# Altium PCB Slave.PcbDoc (part 9 of 10) (continued)
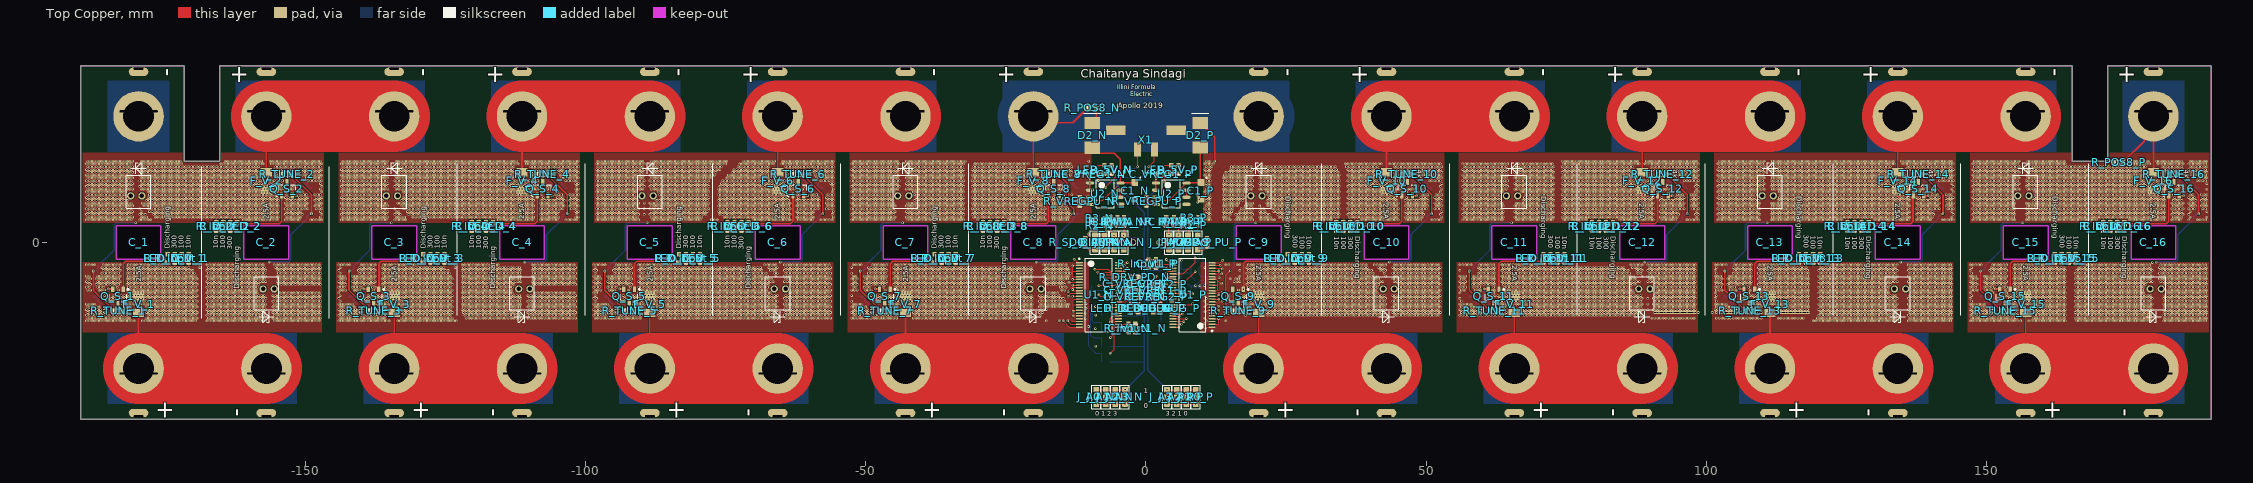
[diagram p0: Top Copper view]
## Nets (pads, with @x,y where several pads share a name; then routed paths per layer and width w, separated by ;. In a path a pad name is that pad's centre, name@x,y a point inside that pad or via, vN(x,y) a via of type N, cw(c..) or ccw(c..) an arc to the next point about the centre after c; other vN are vias at no path point) (continued)
NetQ_D_7_1: Q_D_7.1 Q_S_7.3 R_TUNE_7.2 | length 8.2
  Top Copper w0.102: Q_S_7.3@-46.575,-10.919 Q_S_7.3@-46.575,-10.775
  Top Copper w0.305: Q_S_7.3@-46.575,-10.919 -46.482,-11.012 -46.482,-11.518 v2(-45.8,-12.2)
  Bottom Copper w0.305: Q_D_7.1@-50.95,-9.65 -50.529,-9.65 -50.082,-10.098 -50.082,-10.518 -48.4,-12.2 v2(-45.8,-12.2)
NetQ_D_8_1: Q_D_8.1 Q_S_8.3 R_TUNE_8.2 | length 8.2
  Top Copper w0.102: R_TUNE_8.2@-16.876,12.524 R_TUNE_8.2@-16.876,12.549 ; Q_S_8.3@-16.425,10.775 Q_S_8.3@-16.425,10.919
  Top Copper w0.305: v2(-17.2,12.2) -16.518,11.518 -16.518,11.012 Q_S_8.3@-16.425,10.919
  Bottom Copper w0.305: v2(-17.2,12.2) -14.6,12.2 -12.918,10.518 -12.918,10.098 -12.471,9.65 Q_D_8.1@-12.05,9.65
NetQ_D_9_1: Q_D_9.1 Q_S_9.3 R_TUNE_9.2 | length 7.1
  Top Copper w0.102: Q_S_9.3@16.425,-10.919 Q_S_9.3@16.425,-10.775
  Top Copper w0.305: Q_S_9.3@16.425,-10.919 16.518,-11.012 16.518,-11.518 R_TUNE_9.2@17.2,-12.2
  Bottom Copper w0.305: Q_D_9.1@15.25,-9.65 14.85,-9.65 14.5,-10 14.5,-11.4 15.3,-12.2 17.2,-12.2
NetQ_D_10_1: Q_D_10.1 Q_S_10.3 R_TUNE_10.2 | length 8.2
  Top Copper w0.102: R_TUNE_10.2@46.124,12.524 R_TUNE_10.2@46.124,12.549 ; Q_S_10.3@46.575,10.775 Q_S_10.3@46.575,10.919
  Top Copper w0.305: v2(45.8,12.2) 46.482,11.518 46.482,11.012 Q_S_10.3@46.575,10.919
  Bottom Copper w0.305: v2(45.8,12.2) 48.4,12.2 50.082,10.518 50.082,10.098 50.529,9.65 Q_D_10.1@50.95,9.65
NetQ_D_11_1: Q_D_11.1 Q_S_11.3 R_TUNE_11.2 | length 8.2
  Top Copper w0.102: Q_S_11.3@62.025,-10.919 Q_S_11.3@62.025,-10.775
  Top Copper w0.305: Q_S_11.3@62.025,-10.919 62.118,-11.012 62.118,-11.518 v2(62.8,-12.2)
  Bottom Copper w0.305: Q_D_11.1@57.65,-9.65 58.071,-9.65 58.518,-10.098 58.518,-10.518 60.2,-12.2 v2(62.8,-12.2)
NetQ_D_12_1: Q_D_12.1 Q_S_12.3 R_TUNE_12.2 | length 8.2
  Top Copper w0.102: R_TUNE_12.2@91.724,12.524 R_TUNE_12.2@91.724,12.549 ; Q_S_12.3@92.175,10.775 Q_S_12.3@92.175,10.919
  Top Copper w0.305: v2(91.4,12.2) 92.082,11.518 92.082,11.012 Q_S_12.3@92.175,10.919
  Bottom Copper w0.305: v2(91.4,12.2) 94,12.2 95.682,10.518 95.682,10.098 96.129,9.65 Q_D_12.1@96.55,9.65
NetQ_D_13_1: Q_D_13.1 Q_S_13.3 R_TUNE_13.2 | length 8.3
  Top Copper w0.102: Q_S_13.3@107.625,-10.919 Q_S_13.3@107.625,-10.775
  Top Copper w0.305: Q_S_13.3@107.625,-10.919 107.718,-11.012 107.718,-11.242 107.85,-11.242 108.131,-11.523 108.131,-11.919 108.125,-11.925 v2(108.4,-12.2)
  Bottom Copper w0.305: Q_D_13.1@103.25,-9.65 103.671,-9.65 104.118,-10.098 104.118,-10.518 105.621,-12.021 106.198,-12.021 106.377,-12.2 v2(108.4,-12.2)
NetQ_D_14_1: Q_D_14.1 Q_S_14.3 R_TUNE_14.2 | length 8.2
  Top Copper w0.102: R_TUNE_14.2@137.324,12.524 R_TUNE_14.2@137.324,12.549 ; Q_S_14.3@137.775,10.775 Q_S_14.3@137.775,10.919
  Top Copper w0.305: v2(137,12.2) 137.682,11.518 137.682,11.012 Q_S_14.3@137.775,10.919
  Bottom Copper w0.305: v2(137,12.2) 139.6,12.2 141.282,10.518 141.282,10.098 141.729,9.65 Q_D_14.1@142.15,9.65
NetQ_D_15_1: Q_D_15.1 Q_S_15.3 R_TUNE_15.2 | length 8.2
  Top Copper w0.102: Q_S_15.3@153.225,-10.919 Q_S_15.3@153.225,-10.775
  Top Copper w0.305: Q_S_15.3@153.225,-10.919 153.318,-11.012 153.318,-11.518 v2(154,-12.2)
  Bottom Copper w0.305: Q_D_15.1@148.85,-9.65 149.271,-9.65 149.718,-10.098 149.718,-10.518 151.4,-12.2 v2(154,-12.2)
NetQ_D_16_1: Q_D_16.1 Q_S_16.3 R_TUNE_16.2 | length 8.2
  Top Copper w0.102: R_TUNE_16.2@182.924,12.524 R_TUNE_16.2@182.924,12.549 ; Q_S_16.3@183.375,10.775 Q_S_16.3@183.375,10.919
  Top Copper w0.305: v2(182.6,12.2) 183.282,11.518 183.282,11.012 Q_S_16.3@183.375,10.919
  Bottom Copper w0.305: v2(182.6,12.2) 185.2,12.2 186.882,10.518 186.882,10.098 187.329,9.65 Q_D_16.1@187.75,9.65
NetU2_N_6: U2_N.6 U2_N.7 | length 1.3
  Top Copper w0.254: U2_N.6@-4.575,8.065 U2_N.7@-4.575,9.335
NetU2_P_6: U2_P.6 U2_P.7 | length 1.3
  Top Copper w0.254: U2_P.6@7.225,8.065 U2_P.7@7.225,9.335
POS8_C2: C_16.+ F_V_16.1 R_POS8_P.2 U1_P.1 | length 241.1
  Top Copper w0.102: v2(10.7,-15.275) 10.759,-15.275 10.934,-15.1 U1_P.1@11.8,-15.1
  Top Copper w0.254: R_POS8_P.2@174.25,14.284 174.275,14.284 174.523,14.532 174.523,14.557 178.027,18.06 178.027,20.827 C_16.+@179.7,22.5
  Top Copper w0.305: F_V_16.1@179.7,12.545 C_16.+@179.7,22.5
  Signal Layer 2 w0.102: v2(10.7,-15.275) 13.113,-15.275 13.466,-14.922 14.984,-14.922 15.695,-15.632 98.45,-15.632 98.653,-15.429 100.845,-15.429 100.92,-15.503 110.579,-15.503 110.653,-15.429 111.845,-15.429 111.92,-15.503 118.471,-15.503 118.58,-15.394 134.576,-15.394 134.744,-15.226 134.789,-15.226 135.079,-15.516 135.921,-15.516 136.246,-15.19 143.992,-15.19 144.16,-15.022 146.338,-15.022 146.506,-15.19 156.492,-15.19 156.66,-15.022 156.838,-15.022 157.094,-15.279 164.733,-15.279 165.21,-14.803 165.21,-4.524 171.252,1.519 172.731,1.519 173.866,2.653 174.999,2.653 175.596,3.251 184.65,3.251 185.5,4.101 185.5,16.7 C_16.+@179.7,22.5
  Signal Layer 2 w0.254: C_16.+@179.7,22.5 C_16.+@179.7,31
S1_C1: LED_D_1.K Q_S_1.1 U1_N.25 | length 193.3
  Top Copper w0.102: v2(-5,-15.75) -4.9,-15.65 U1_N.25@-4.9,-15.1
  Top Copper w0.305: Q_S_1.1@-182.425,-8.375 -182.425,-3.777 -182,-3.352 -174.723,-3.352 LED_D_1.K@-174.5,-3.575
  Signal Layer 2 w0.102: v2(-174.5,-3.6) -170.788,-3.6 -168.703,-5.684 -168.703,-14.778 -167.731,-15.75 v2(-5,-15.75)
S1_C2: LED_D_9.K Q_S_9.1 U1_P.25 | length 30.1
  Top Copper w0.102: v2(3.625,-3.05) 4.147,-3.572 4.772,-3.572 U1_P.25@4.8,-3.6 ; Q_S_9.1@17.375,-8.375 v2(17.375,-8.35)
  Top Copper w0.305: v2(17.375,-8.35) 17.375,-3.777 17.8,-3.352 25.077,-3.352 LED_D_9.K@25.3,-3.575
  Signal Layer 2 w0.102: v2(3.625,-3.05) 4.127,-3.552 8.177,-3.552 11.922,-7.297 12.726,-7.297 13.26,-7.831 16.856,-7.831 v2(17.375,-8.35)
S2_C1: LED_D_2.K Q_S_2.1 U1_N.23 | length 190.5
  Top Copper w0.102: v2(-14,-14) -13.4,-14.6 U1_N.23@-11.9,-14.6
  Top Copper w0.305: LED_D_2.K@-161.877,3.352 -154.6,3.352 -154.175,3.777 Q_S_2.1@-154.175,8.375
  Signal Layer 2 w0.102: v2(-162.1,3.5) -168.094,-2.494 -168.094,-14.525 -167.478,-15.14 -17.34,-15.14 -15.823,-13.623 -14.377,-13.623 v2(-14,-14)
S2_C2: LED_D_10.K Q_S_10.1 U1_P.23 | length 66.5
  Top Copper w0.102: U1_P.23@11.8,-4.1 13.225,-4.1 v2(13.25,-4.075) ; v2(37.7,3.575) LED_D_10.K@37.7,3.6
  Top Copper w0.305: v2(37.7,3.575) 37.923,3.352 45.2,3.352 45.625,3.777 Q_S_10.1@45.625,8.375
  Signal Layer 2 w0.102: v2(13.25,-4.075) 12.888,-3.713 12.888,12.463 15.082,14.658 33.93,14.658 35.403,13.184 35.403,4.297 36.125,3.575 v2(37.7,3.575)
S3_C1: LED_D_3.K Q_S_3.1 U1_N.21 | length 141.8
  Top Copper w0.102: U1_N.21@-11.9,-13.6 v2(-10.8,-13.6)
  Top Copper w0.305: Q_S_3.1@-136.825,-8.375 -136.825,-3.777 -136.4,-3.352 -129.123,-3.352 -128.9,-3.575 v2(-128.9,-3.6)
  Signal Layer 2 w0.102: v2(-128.9,-3.6) -125.187,-3.6 -123.203,-5.584 -123.203,-13.046 -121.515,-14.734 -17.509,-14.734 -15.991,-13.216 -13.963,-13.216 -13.579,-13.6 v2(-10.8,-13.6)
S3_C2: LED_D_11.K Q_S_11.1 U1_P.21 | length 112.2
  Top Copper w0.102: U1_P.21@11.8,-5.1 v2(13,-5.1)
  Top Copper w0.305: Q_S_11.1@62.975,-8.375 62.975,-3.777 63.4,-3.352 70.677,-3.352 LED_D_11.K@70.9,-3.575
  Signal Layer 2 w0.102: v2(13,-5.1) 12.685,-4.785 12.685,12.547 14.998,14.861 72.402,14.861 73.197,14.066 73.197,-1.353 v2(70.95,-3.6)
S4_C1: LED_D_4.K Q_S_4.1 U1_N.19 | length 146.3
  Top Copper w0.102: v2(-116.5,3.575) LED_D_4.K@-116.5,3.6 ; U1_N.19@-11.9,-12.6 v2(-10.8,-12.6)
  Top Copper w0.305: v2(-116.5,3.575) -116.277,3.352 -109,3.352 -108.575,3.777 Q_S_4.1@-108.575,8.375
  Signal Layer 2 w0.102: v2(-116.5,3.575) -122.594,-2.519 -122.594,-12.793 -121.262,-14.124 -18.924,-14.124 -17.275,-12.475 -14.05,-12.475 -13.497,-11.923 -11.477,-11.923 v2(-10.8,-12.6)
S4_C2: LED_D_12.K Q_S_12.1 U1_P.19 | length 117.7
  Top Copper w0.102: U1_P.19@11.8,-6.1 12,-6.3 v2(13.025,-6.3)
  Top Copper w0.305: LED_D_12.K@83.3,3.575 83.523,3.352 90.8,3.352 91.225,3.777 Q_S_12.1@91.225,8.375
  Signal Layer 2 w0.102: v2(13.025,-6.3) 12.075,-5.35 12.075,12.8 14.746,15.471 72.654,15.471 73.806,14.318 73.806,3.358 74.011,3.153 80.059,3.153 80.108,3.104 82.804,3.104 v2(83.3,3.6)
S5_C1: LED_D_5.K Q_S_5.1 U1_N.13 | length 124.5
  Top Copper w0.102: v2(-13.1,-9.6) U1_N.13@-11.9,-9.6
  Top Copper w0.305: Q_S_5.1@-91.225,-8.375 -91.225,-3.777 -90.8,-3.352 -83.523,-3.352 LED_D_5.K@-83.3,-3.575
  Signal Layer 2 w0.102: v2(-83.2,-3.5) -83.2,-0.7 -77.406,5.094 -77.406,10.668 -72.475,15.6 -12.213,15.6 -10.831,14.218 -10.831,-7.331 v2(-13.1,-9.6)
S5_C2: LED_D_13.K Q_S_13.1 U1_P.13 | length 135.2
  Top Copper w0.102: U1_P.13@11.8,-9.1 12.562,-9.1 12.785,-8.877 13.623,-8.877 v2(13.625,-8.875) ; LED_D_13.K@116.5,-3.6 v2(116.5,-3.575)
  Top Copper w0.305: Q_S_13.1@108.575,-8.375 108.575,-3.777 109,-3.352 116.277,-3.352 v2(116.5,-3.575)
  Signal Layer 2 w0.102: v2(13.625,-8.875) 13.625,-9.704 14.181,-10.259 14.181,-10.506 14.393,-10.719 14.393,-11.744 16.452,-13.803 89.484,-13.803 89.872,-13.416 89.872,-13.344 90.093,-13.123 97.906,-13.123 98.283,-13.5 101.215,-13.5 101.593,-13.123 109.906,-13.123 110.283,-13.5 112.215,-13.5 112.593,-13.123 117.406,-13.123 117.783,-13.5 117.887,-13.5 118.797,-12.591 118.797,-4.897 117.475,-3.575 v2(116.5,-3.575)
S6_C1: LED_D_6.K Q_S_6.1 U1_N.11 | length 116.8
  Top Copper w0.102: v2(-13.1,-8.4) -12.9,-8.6 U1_N.11@-11.9,-8.6
  Top Copper w0.305: LED_D_6.K@-70.9,3.575 -70.677,3.352 -63.4,3.352 -62.975,3.777 Q_S_6.1@-62.975,8.375
  Signal Layer 2 w0.102: v2(-70.9,3.6) -75.213,3.6 -76.797,5.184 -76.797,10.416 -72.222,14.99 -12.465,14.99 -11.44,13.965 -11.44,-7.059 -12.781,-8.4 v2(-13.1,-8.4)
S6_C2: LED_D_14.K Q_S_14.1 U1_P.11 | length 144.8
  Top Copper w0.102: U1_P.11@11.8,-10.1 v2(13,-10.1)
  Top Copper w0.305: LED_D_14.K@128.913,3.563 129.123,3.352 136.4,3.352 136.825,3.777 Q_S_14.1@136.825,8.375
  Signal Layer 2 w0.102: v2(13,-10.1) 13,-10.529 13.784,-11.313 13.784,-11.997 16.2,-14.413 89.737,-14.413 89.895,-14.254 89.925,-14.284 98.074,-14.284 98.148,-14.21 101.35,-14.21 101.425,-14.284 110.074,-14.284 110.148,-14.21 112.35,-14.21 112.425,-14.284 117.966,-14.284 119.406,-12.843 119.406,-4.481 125.267,1.38 126.73,1.38 v2(128.875,3.525)
S7_C1: LED_D_7.K Q_S_7.1 U1_N.9 | length 77.2
  Top Copper w0.102: v2(-13.1,-7.6) U1_N.9@-11.9,-7.6
  Top Copper w0.305: Q_S_7.1@-45.625,-8.375 -45.625,-3.777 -45.2,-3.352 LED_D_7.K@-37.923,-3.352
  Signal Layer 2 w0.102: v2(-37.7,-3.5) -31.906,2.294 -31.906,14.084 -31.203,14.787 -12.549,14.787 -11.643,13.881 -11.643,-6.975 -12.268,-7.6 v2(-13.1,-7.6)
S7_C2: LED_D_15.K Q_S_15.1 U1_P.9 | length 180.8
  Top Copper w0.102: U1_P.9@11.8,-11.1 12.75,-11.1 v2(13,-11.35) ; LED_D_15.K@162.1,-3.6 v2(162.1,-3.575)
  Top Copper w0.305: Q_S_15.1@154.175,-8.375 154.175,-3.777 154.6,-3.352 161.877,-3.352 v2(162.1,-3.575)
  Signal Layer 2 w0.102: v2(13,-11.35) 13,-11.541 13.377,-11.919 13.377,-12.165 16.032,-14.819 98.113,-14.819 98.317,-14.616 101.182,-14.616 101.256,-14.69 110.242,-14.69 110.317,-14.616 112.182,-14.616 112.256,-14.69 118.134,-14.69 118.412,-14.413 118.591,-14.413 118.759,-14.581 134.24,-14.581 134.408,-14.413 135.125,-14.413 135.416,-14.703 135.584,-14.703 135.91,-14.378 143.655,-14.378 143.823,-14.21 146.675,-14.21 146.843,-14.378 156.155,-14.378 156.323,-14.21 157.175,-14.21 157.343,-14.378 164.309,-14.378 164.397,-14.466 164.397,-4.6 163.372,-3.575 v2(162.1,-3.575)
S8_C1: LED_D_8.K Q_S_8.1 U1_N.7 | length 70.6
  Top Copper w0.102: v2(-13.1,-6.6) U1_N.7@-11.9,-6.6
  Top Copper w0.305: v2(-25.3,3.575) -25.077,3.352 -17.8,3.352 -17.375,3.777 Q_S_8.1@-17.375,8.375
  Signal Layer 2 w0.102: v2(-25.3,3.575) -30.475,3.575 -31.5,4.6 -31.5,13.916 -31.035,14.381 -12.718,14.381 -12.05,13.713 -12.05,-5.55 v2(-13.1,-6.6)
S8_C2: LED_D_16.K Q_S_16.1 U1_P.7 | length 194.1
  Top Copper w0.102: v2(10.525,-12.4) 10.825,-12.1 U1_P.7@11.8,-12.1 ; v2(174.5,3.575) LED_D_16.K@174.5,3.6
  Top Copper w0.305: v2(174.5,3.575) 174.723,3.352 182,3.352 182.425,3.777 Q_S_16.1@182.425,8.375
  Signal Layer 2 w0.102: v2(10.525,-12.4) 12.843,-14.718 15.069,-14.718 15.779,-15.429 98.366,-15.429 98.569,-15.226 100.929,-15.226 101.004,-15.3 110.495,-15.3 110.569,-15.226 111.929,-15.226 112.004,-15.3 118.387,-15.3 118.501,-15.185 118.506,-15.19 134.492,-15.19 134.66,-15.022 134.873,-15.022 135.163,-15.313 135.837,-15.313 136.162,-14.987 143.908,-14.987 144.076,-14.819 146.422,-14.819 146.59,-14.987 156.408,-14.987 156.576,-14.819 156.922,-14.819 157.178,-15.075 164.649,-15.075 165.006,-14.718 165.006,-4.44 171.168,1.722 172.647,1.722 v2(174.5,3.575)
SCK_N: J_IPA_N.1
SCK_P: J_IPA_P.1
SDI_N: J_ICMP_N.1
SDI_P: J_ICMP_P.1
SDO_N: J_IBIAS_N.1 R_SDO_PU_N.1 | length 1.9
  Top Copper w0.102: R_SDO_PU_N.1@-10.74,-0.75 -10.74,-0.775 -10.415,-1.099 -10.39,-1.099 -10.19,-1.3 J_IBIAS_N.1@-9.1,-1.3
SDO_P: J_IBIAS_P.1 R_SDO_PU_P.1 | length 1.9
  Top Copper w0.102: J_IBIAS_P.1@9.2,-1.3 10.35,-1.3 10.551,-1.099 10.576,-1.099 10.9,-0.775 R_SDO_PU_P.1@10.9,-0.75
T1_C1: C_1.T+ C_2.T+ C_Temp1_N.2 R7_N.1 R_Temp1_N.1 | length 198.4
  Signal Layer 2 w0.102: C_1.T+@-181.1,8.3 -176.725,3.925 -161.991,3.925 -161.723,3.656 -161.723,3.523 -161.151,2.951 -161.151,-3.104 -161.004,-3.251 -157.224,-3.251 -155.5,-4.975 C_2.T+@-155.5,-8.3 -146.5,-8.3 -146,-8.8 -146,-14.194 -145.256,-14.937 -17.425,-14.937 -15.907,-13.419 -14.047,-13.419 -13.416,-14.05 -11.2,-14.05 v2(-10.25,-15)
  Bottom Copper w0.102: v2(-10.25,-15) -10.25,-18.5 -9.349,-19.401 -9.324,-19.401 -9,-19.725 C_Temp1_N.2@-9,-19.75 R_Temp1_N.1@-7.9,-19.75 R7_N.1@-7.9,-21.25
T1_C2: C_9.T+ C_10.T+ C_Temp1_P.2 R7_P.1 R_Temp1_P.1 | length 64.5
  Signal Layer 2 w0.102: v2(6.3,-3.175) 6.36,-3.175 6.534,-3.349 8.262,-3.349 12.006,-7.094 12.81,-7.094 13.344,-7.627 14.473,-7.627 15.55,-6.55 15.55,5.15 C_9.T+@18.7,8.3 19.4,8.3 26,1.7 26,-0.9 28.4,-3.3 39.3,-3.3 C_10.T+@44.3,-8.3
  Bottom Copper w0.102: v2(6.3,-3.175) 6.3,-4.7 R7_P.1@6.25,-4.75 C_Temp1_P.2@7.5,-4.75
T3_C1: C_3.T+ C_4.T+ C_Temp2_N.2 R6_N.1 R_Temp2_N.1 | length 152.2
  Signal Layer 2 w0.102: C_3.T+@-135.5,8.3 -131.152,3.952 -116.344,3.952 -115.551,3.16 -115.551,-3.104 -114.777,-3.877 -110.423,-3.877 -109.9,-4.4 C_4.T+@-109.9,-8.3 -101.2,-8.3 -100.5,-9 -100.5,-13.4 -99.979,-13.921 -19.009,-13.921 -17.359,-12.272 -14.134,-12.272 -13.582,-11.719 -10.738,-11.719 -10.679,-11.779 v2(-10.675,-11.775)
  Bottom Copper w0.102: v2(-10.675,-11.775) -9.825,-12.625 -9.825,-16.525 -9.35,-17 C_Temp2_N.2@-9,-17 R_Temp2_N.1@-7.9,-17 R6_N.1@-7.9,-18.5
T3_C2: C_11.T+ C_12.T+ C_Temp2_P.2 R6_P.1 R_Temp2_P.1 | length 134.6
  Signal Layer 2 w0.102: v2(10.4,-7.7) 12.842,-7.7 13.175,-8.034 13.621,-8.479 13.763,-8.479 14.002,-8.719 14.002,-9.031 13.828,-9.206 13.828,-9.62 14.384,-10.175 14.384,-10.422 14.597,-10.635 14.597,-11.66 16.537,-13.6 89.4,-13.6 89.669,-13.331 89.669,-13.26 89.9,-13.028 C_12.T+@89.9,-8.3 85.577,-3.977 70.794,-3.977 69.951,-3.135 69.951,3.104 69.804,3.251 65.749,3.251 65.578,3.422 65.578,3.656 65.357,3.877 64.622,3.877 64.3,4.199 C_11.T+@64.3,8.3
  Bottom Copper w0.102: R_Temp2_P.1@6.25,-6 R6_P.1@6.25,-7.5 C_Temp2_P.2@7.5,-7.5 8.2,-8.2 8.2,-7.7 8.423,-7.7 8.423,-7.856 8.644,-8.077 8.956,-8.077 9.177,-7.856 9.177,-7.7 9.223,-7.7 9.223,-7.856 9.444,-8.077 9.756,-8.077 9.977,-7.856 9.977,-7.7 v2(10.4,-7.7)
T5_C1: C_5.T+ C_6.T+ C_Temp3_N.2 R5_N.1 R_Temp3_N.1 | length 153.3
  Signal Layer 2 w0.102: C_5.T+@-89.9,8.3 -89.9,4.4 -89.378,3.877 -88.843,3.877 -88.217,3.251 -84.396,3.251 -84.249,3.104 -84.249,3 ; C_6.T+@-64.3,-8.3 -68.723,-3.877 -83.356,-3.877 -84.249,-2.985 -84.249,3 ; v2(-10.675,-10.925) -10.627,-10.877 -10.627,14.302 -12.128,15.803 -72.559,15.803 -77.61,10.753 -77.61,5.178 -79.787,3 -84.249,3
  Bottom Copper w0.102: v2(-10.675,-10.925) -9.622,-11.978 -9.622,-13.953 -9.527,-14.048 -9.163,-14.413 C_Temp3_N.2@-9,-14.25 R_Temp3_N.1@-7.9,-14.25 R5_N.1@-7.9,-15.75
T5_C2: C_13.T+ C_14.T+ C_Temp3_P.2 R5_P.1 R_Temp3_P.1 | length 186.5
  Signal Layer 2 w0.102: v2(9.6,-7.7) 9.635,-7.735 9.902,-7.735 11.631,-9.465 11.648,-9.465 13.581,-11.397 13.581,-12.081 16.116,-14.616 98.029,-14.616 98.232,-14.413 101.266,-14.413 101.34,-14.487 110.158,-14.487 110.232,-14.413 112.266,-14.413 112.34,-14.487 118.05,-14.487 118.328,-14.21 118.675,-14.21 118.843,-14.378 134.155,-14.378 134.324,-14.21 135.21,-14.21 135.5,-14.5 C_14.T+@135.5,-8.3 135.5,-4.2 135.177,-3.877 134.443,-3.877 134.222,-3.656 134.222,-3.373 134.1,-3.251 129.996,-3.251 129.849,-3.104 129.849,3.085 129.031,3.902 128.719,3.902 128.498,3.681 128.498,3.46 128.438,3.4 111.434,3.4 110.957,3.877 110.448,3.877 109.9,4.425 C_13.T+@109.9,8.3
  Bottom Copper w0.102: v2(9.6,-7.7) 10,-7.3 10.84,-7.3 10.9,-7.24 10.9,-6.3 10.6,-6 9.8,-6 9.5,-5.7 9.5,-4.5 9.901,-4.099 9.901,-4.074 10.225,-3.75 R5_P.1@10.25,-3.75 ; R_Temp3_P.1@10.25,-2.25 R5_P.1@10.25,-3.75 ; C_Temp3_P.2@11.5,-3.75 R5_P.1@10.25,-3.75
T7_C1: C_7.T+ C_8.T+ C_Temp4_N.2 R4_N.1 R_Temp4_N.1 | length 54.5
  Signal Layer 2 w0.102: C_7.T+@-44.3,8.3 -44.3,4 -44.177,3.877 -43.243,3.877 -43.022,3.656 -43.022,3.522 -42.751,3.251 -38.796,3.251 -38.649,3.104 -38.649,-0.851 -38.275,-1.225 -38.275,-3.459 -37.834,-3.9 -19.309,-3.9 -18.7,-4.509 C_8.T+@-18.7,-8.3 -15.85,-8.3 -12.7,-11.45 -10.884,-11.45 -10.831,-11.398 -9.077,-11.398 v2(-9.025,-11.45)
  Bottom Copper w0.102: C_Temp4_N.2@-9,-11.5 R_Temp4_N.1@-7.9,-11.5 R4_N.1@-7.9,-13
T7_C2: C_15.T+ C_16.T+ C_Temp4_P.2 R4_P.1 R_Temp4_P.1 | length 227.1
  Signal Layer 1 w0.102: v2(169.8,3.4) 170.1,3.4 175.449,-1.949 175.449,-3.104 175.596,-3.251 176.462,-3.251 176.811,-3.6 v2(179.5,-3.6)
  Signal Layer 2 w0.102: v2(8.8,-7.7) 8.8,-14.453 9.922,-15.575 10.466,-15.575 10.544,-15.652 10.856,-15.652 10.934,-15.575 15.351,-15.575 15.611,-15.835 98.534,-15.835 98.737,-15.632 100.761,-15.632 100.835,-15.706 110.663,-15.706 110.737,-15.632 111.761,-15.632 111.835,-15.706 118.555,-15.706 118.664,-15.597 134.66,-15.597 134.767,-15.491 134.995,-15.719 136.005,-15.719 136.149,-15.575 181.1,-15.575 C_16.T+@181.1,-8.3 180.499,-8.3 180.2,-8 180.2,-4.3 v2(179.5,-3.6) ; C_15.T+@155.5,8.3 155.5,4 155.623,3.877 156.557,3.877 157.034,3.4 v2(169.8,3.4)
  Bottom Copper w0.102: v2(8.8,-7.7) 9.75,-6.75 R4_P.1@10.25,-6.75
V1_C1: R_Input_1.2 U1_N.24 | length 172.6
  Top Copper w0.102: v2(-14.8,-14) -13.7,-15.1 U1_N.24@-11.9,-15.1
  Signal Layer 2 w0.102: v2(-172,-2.1) -168.5,-5.6 -168.5,-14.694 -167.647,-15.547 -15.547,-15.547 -14.8,-14.8 v2(-14.8,-14)
V1_C2: R_Input_9.2 U1_P.24 | length 59.6
  Top Copper w0.102: U1_P.24@11.8,-3.6 13.275,-3.6 v2(13.7,-3.175)
  Signal Layer 2 w0.102: v2(13.7,-3.175) 13.294,-2.769 13.294,12.295 15.251,14.251 33.761,14.251 34.997,13.016 34.997,3.736 29.539,-1.723 28.919,-1.723 28.541,-2.1 v2(27.8,-2.1)
V2_C1: R_Input_2.2 U1_N.22 | length 176
  Top Copper w0.102: v2(-15.5,-14) -15.1,-13.6 -13.733,-13.6 -13.233,-14.1 U1_N.22@-11.9,-14.1
  Signal Layer 2 w0.102: v2(-164.6,2.1) -168.297,-1.597 -168.297,-14.609 -167.563,-15.344 -16.65,-15.344 -15.567,-14.26 -15.567,-14.067 v2(-15.5,-14)
V2_C2: R_Input_10.2 U1_P.22 | length 53.8
  Top Copper w0.102: U1_P.22@11.8,-4.6 13.5,-4.6 v2(13.625,-4.725)
  Signal Layer 2 w0.102: v2(13.625,-4.725) 13.625,-4.234 13.627,-4.231 13.627,-3.919 13.091,-3.382 13.091,12.379 15.166,14.455 33.845,14.455 35.2,13.1 v2(35.2,2.025)
V3_C1: R_Input_3.2 U1_N.20 | length 124.9
  Top Copper w0.102: v2(-13,-13.1) U1_N.20@-11.9,-13.1
  Signal Layer 2 w0.102: v2(-126.4,-2.1) -123,-5.5 -123,-12.962 -121.431,-14.531 -17.593,-14.531 -16.075,-13.013 -13.879,-13.013 -13.495,-13.397 -13.297,-13.397 v2(-13,-13.1)
V3_C2: R_Input_11.2 U1_P.20 | length 99.3
  Top Copper w0.102: U1_P.20@11.8,-5.6 13.475,-5.6 v2(13.5,-5.625)
  Signal Layer 2 w0.102: v2(13.5,-5.625) 12.925,-5.625 12.481,-5.182 12.481,12.632 14.914,15.064 72.486,15.064 73.4,14.15 v2(73.4,-2.1)
V4_C1: R_Input_4.2 U1_N.14 U1_N.16 U1_N.18 | length 133.2
  Top Copper w0.102: U1_N.18@-11.9,-12.1 -12.766,-12.1 -12.966,-12.3 -12.966,-11.166 ; U1_N.16@-11.9,-11.1 -12.9,-11.1 -12.966,-11.166 ; U1_N.14@-11.9,-10.1 -12.866,-10.1 -12.966,-10.2 -12.966,-11.166
  Signal Layer 2 w0.102: v2(-119,2.1) -122.797,-1.697 -122.797,-12.877 -121.347,-14.328 -18.84,-14.328 -17.191,-12.678 -13.966,-12.678 -13.587,-12.3 v2(-13,-12.3)
V4_C2: R_Input_12.2 U1_P.14 U1_P.16 U1_P.18 | length 107.8
  Top Copper w0.102: U1_P.14@11.8,-8.6 12.6,-8.6 12.775,-8.425 12.775,-7.575 ; U1_P.16@11.8,-7.6 12.75,-7.6 12.775,-7.575 ; U1_P.18@11.8,-6.6 12.575,-6.6 12.775,-6.8 ; v2(13.5,-7.25) 13.362,-7.388 12.775,-6.8 ; 12.775,-7.575 12.775,-6.8
  Signal Layer 2 w0.102: v2(13.5,-7.25) 13.402,-7.152 13.402,-6.144 13.181,-5.923 12.935,-5.923 12.278,-5.266 12.278,12.716 14.83,15.267 72.57,15.267 73.603,14.234 73.603,3.273 73.927,2.95 79.975,2.95 v2(80.8,2.125)
V5_C1: R_Input_5.2 U1_N.12 | length 110.3
  Top Copper w0.102: v2(-13.9,-9.6) -13.4,-9.1 U1_N.12@-11.9,-9.1
  Signal Layer 2 w0.102: v2(-80.8,-2.1) -80.8,1.413 -77.2,5.013 -77.203,5.016 -77.203,10.584 -72.391,15.397 -12.297,15.397 -11.034,14.134 -11.034,-7.246 -13.01,-9.223 -13.523,-9.223 v2(-13.9,-9.6)
V5_C2: R_Input_13.2 U1_P.12 | length 123.8
  Top Copper w0.102: U1_P.12@11.8,-9.6 12.75,-9.6 v2(13,-9.35)
  Signal Layer 2 w0.102: v2(13,-9.35) 13,-9.366 13.977,-10.344 13.977,-10.59 14.19,-10.803 14.19,-11.828 16.368,-14.006 89.568,-14.006 89.772,-13.803 90.018,-13.803 90.093,-13.878 90.406,-13.878 90.48,-13.803 90.518,-13.803 90.593,-13.878 90.906,-13.878 90.98,-13.803 91.018,-13.803 91.093,-13.878 91.406,-13.878 91.48,-13.803 91.518,-13.803 91.593,-13.878 91.906,-13.878 91.98,-13.803 92.018,-13.803 92.093,-13.878 92.406,-13.878 92.48,-13.803 92.518,-13.803 92.593,-13.878 92.906,-13.878 92.98,-13.803 93.018,-13.803 93.093,-13.878 93.406,-13.878 93.48,-13.803 93.518,-13.803 93.593,-13.878 93.906,-13.878 93.98,-13.803 94.018,-13.803 94.093,-13.878 94.406,-13.878 94.48,-13.803 94.518,-13.803 94.593,-13.878 94.906,-13.878 94.98,-13.803 95.018,-13.803 95.093,-13.878 95.406,-13.878 95.48,-13.803 95.518,-13.803 95.593,-13.878 95.906,-13.878 95.98,-13.803 96.018,-13.803 96.093,-13.878 96.406,-13.878 96.48,-13.803 96.518,-13.803 96.593,-13.878 96.906,-13.878 96.98,-13.803 97.018,-13.803 97.093,-13.878 97.406,-13.878 97.48,-13.803 97.518,-13.803 97.593,-13.878 97.906,-13.878 97.98,-13.803 101.518,-13.803 101.593,-13.878 101.906,-13.878 101.98,-13.803 102.018,-13.803 102.093,-13.878 102.406,-13.878 102.48,-13.803 102.518,-13.803 102.593,-13.878 102.906,-13.878 102.98,-13.803 103.018,-13.803 103.093,-13.878 103.406,-13.878 103.48,-13.803 103.518,-13.803 103.593,-13.878 103.906,-13.878 103.98,-13.803 104.018,-13.803 104.093,-13.878 104.406,-13.878 104.48,-13.803 104.518,-13.803 104.593,-13.878 104.906,-13.878 104.98,-13.803 105.018,-13.803 105.093,-13.878 105.406,-13.878 105.48,-13.803 105.518,-13.803 105.593,-13.878 105.906,-13.878 105.98,-13.803 106.018,-13.803 106.093,-13.878 106.406,-13.878 106.48,-13.803 106.518,-13.803 106.593,-13.878 106.906,-13.878 106.98,-13.803 107.018,-13.803 107.093,-13.878 107.406,-13.878 107.48,-13.803 107.518,-13.803 107.593,-13.878 107.906,-13.878 107.98,-13.803 108.018,-13.803 108.093,-13.878 108.406,-13.878 108.48,-13.803 108.518,-13.803 108.593,-13.878 108.906,-13.878 108.98,-13.803 109.018,-13.803 109.093,-13.878 109.406,-13.878 109.48,-13.803 109.518,-13.803 109.593,-13.878 109.906,-13.878 109.98,-13.803 112.518,-13.803 112.593,-13.878 112.906,-13.878 112.98,-13.803 113.018,-13.803 113.093,-13.878 113.406,-13.878 113.48,-13.803 113.518,-13.803 113.593,-13.878 113.906,-13.878 113.98,-13.803 114.018,-13.803 114.093,-13.878 114.406,-13.878 114.48,-13.803 114.518,-13.803 114.593,-13.878 114.906,-13.878 114.98,-13.803 115.018,-13.803 115.093,-13.878 115.406,-13.878 115.48,-13.803 115.518,-13.803 115.593,-13.878 115.906,-13.878 115.98,-13.803 116.018,-13.803 116.093,-13.878 116.406,-13.878 116.48,-13.803 116.518,-13.803 116.593,-13.878 116.906,-13.878 116.98,-13.803 117.018,-13.803 117.093,-13.878 117.797,-13.878 119,-12.675 v2(119,-2.075)
V6_C1: R_Input_6.2 U1_N.10 | length 105.6
  Top Copper w0.102: v2(-13.9,-8.8) -13.9,-8.566 -13.356,-8.023 -12.309,-8.023 -12.231,-8.1 U1_N.10@-11.9,-8.1
  Signal Layer 2 w0.102: v2(-73.4,2.1) -74,2.1 -77,5.1 -77,10.5 -72.306,15.194 -12.381,15.194 -11.237,14.05 -11.237,-7.162 -13.075,-9 -13.7,-9 v2(-13.9,-8.8)
V6_C2: R_Input_14.2 U1_P.10 | length 128.6
  Top Copper w0.102: U1_P.10@11.8,-10.6 13.406,-10.6 13.506,-10.5 v2(13.6,-10.5)
  Signal Layer 2 w0.102: v2(13.6,-10.5) 13.788,-10.688 13.788,-11.029 13.987,-11.229 13.987,-11.913 16.284,-14.21 89.653,-14.21 89.856,-14.006 89.934,-14.006 90.009,-14.081 97.99,-14.081 98.064,-14.006 101.434,-14.006 101.509,-14.081 109.99,-14.081 110.064,-14.006 112.434,-14.006 112.509,-14.081 117.882,-14.081 119.203,-12.759 119.203,-4.397 125.7,2.1 v2(126.4,2.1)
V7_C1: R_Input_7.2 U1_N.8 | length 62.5
  Top Copper w0.102: v2(-13.733,-7.08) -11.92,-7.08 U1_N.8@-11.9,-7.1
  Signal Layer 2 w0.102: v2(-35.2,-2.1) -31.703,1.397 -31.703,14 -31.119,14.584 -12.633,14.584 -11.847,13.797 -11.847,-6.891 -12.036,-7.08 v2(-13.733,-7.08)
V7_C2: R_Input_15.2 U1_P.8 | length 167.7
  Top Copper w0.102: U1_P.8@11.8,-11.6 12.525,-11.6 v2(13,-12.075)
  Signal Layer 2 w0.102: v2(13,-12.075) 15.947,-15.022 98.198,-15.022 98.401,-14.819 101.098,-14.819 101.172,-14.894 110.326,-14.894 110.401,-14.819 112.098,-14.819 112.172,-14.894 118.218,-14.894 118.496,-14.616 118.506,-14.616 118.675,-14.784 134.324,-14.784 134.492,-14.616 135.041,-14.616 135.332,-14.906 135.668,-14.906 135.994,-14.581 143.74,-14.581 143.908,-14.413 146.591,-14.413 146.759,-14.581 156.24,-14.581 156.408,-14.413 157.091,-14.413 157.259,-14.581 164.224,-14.581 164.313,-14.669 164.481,-14.669 164.6,-14.55 v2(164.6,-2.1)
V8_C1: R_Input_8.2 U1_N.2 U1_N.4 U1_N.6 | length 26.5
  Top Copper w0.102: U1_N.6@-11.9,-6.1 -13.1,-6.1 -13.1,-5.2 ; U1_N.4@-11.9,-5.1 -13,-5.1 -13.1,-5.2 ; U1_N.2@-11.9,-4.1 -13,-4.1 v2(-13.1,-4.2) -13.1,-5.2
  Signal Layer 2 w0.102: v2(-27.8,2.1) -25.801,2.1 -24.651,3.251 -15.996,3.251 -15.849,3.104 -15.849,-1.451 v2(-13.1,-4.2)